# KiCad board ayla80.kicad_pcb (continued)
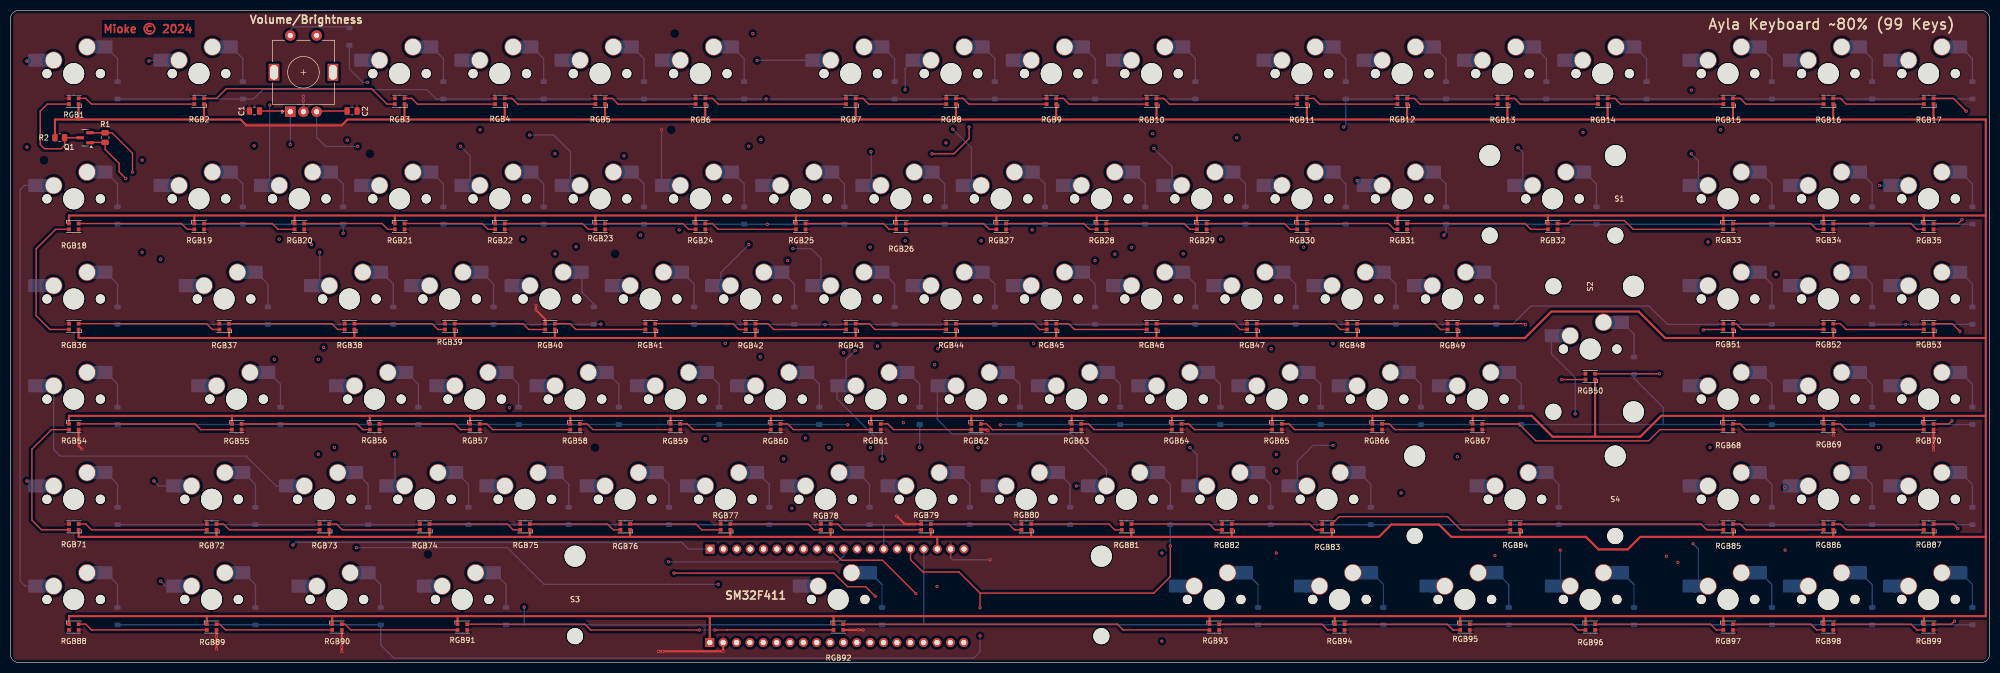
[diagram p0: board, top side]
## Routing (per net, layer and track width the routed paths; a pad name or vN(x,y) marks a point on that pad's centre or on a via; arc(x,y) is an arc through that point) (continued)
R_A: length 169.6
  Top w0.25: SW1.A 53.02,104.89 C1.1
  In2.Cu w0.25: v1(53.66,22.34) 51.88,24.12 51.88,88.68 53.15,89.95 v1(53.15,98.54)
  Bottom w0.25: v1(53.66,22.34) 54.16,22.85 127.52,22.85 128.79,21.58 J1.1 ; v1(53.15,98.54) 53.16,98.55 SW1.A
R_B: length 179
  Top w0.25: C2.1 58.29,104.89 SW1.B
  In2.Cu w0.25: J1.2 135.44,15.84 v1(134.48,14.87) ; v1(65.72,21.83) 65.95,22.06 65.95,50.45 69.28,53.77 69.28,59.42 71.44,61.58 71.44,75.68 65.97,81.14 v1(65.97,98.16)
  Bottom w0.25: v1(65.97,98.16) 59.88,98.16 58.16,99.88 SW1.B ; v1(134.48,14.87) 101.38,14.87 94.42,21.83 v1(65.72,21.83)
RGB: length 241.4
  Top w0.25: Q1.2 15.11,100.74 R1.2 19.29,100.74 23.18,96.86 v1(23.18,93.25) ; v1(164.27,12.61) 162.47,14.41 159.02,14.41 156.42,17 v1(126.05,17)
  In1.Cu w0.25: v1(23.18,93.25) 31.1,85.33 124.01,85.33 v1(127.06,82.28) ; v1(164.27,12.61) 164.27,5.4 J2.14
  In2.Cu w0.25: v1(126.05,17) 126.05,39.81 123.2,42.66 123.2,50.43 126.45,53.68 126.45,56.32 129.6,59.47 129.6,79.74 v1(127.06,82.28)
RGB_DATA: length 22
  Top w0.25: Q1.3 10.28,99.8 R2.2 10.27,98.36 9.62,97.71 6.44,97.71 5.65,98.51 5.65,104.86 6.99,106.2 RGB1.4
ROW0: length 296.9
  In1.Cu w0.25: v1(148.45,29.35) 148.45,26.96 J1.5
  In2.Cu w0.25: v1(148.45,29.35) 148.45,51.45 144.33,55.56 144.33,71.06 145.3,72.02 145.3,84.21 143.57,85.94 v1(143.57,107.18)
  Bottom w0.25: D1.1 D2.1 46.14,107.18 47.92,108.95 79.08,108.95 80.86,107.18 D3.1 D5.1 D6.1 v1(143.57,107.18) D7.1 D8.1 D9.1 D10.1
ROW1: length 467.6
  In1.Cu w0.25: v1(253.3,101.84) 197.59,101.84 193.53,97.78 166.43,97.78 164.86,99.35 v1(63.97,99.35)
  In2.Cu w0.25: J1.3 138.83,22.43 138.83,32.84 140.52,34.53 140.52,40.32 132.95,47.89 132.95,74.51 136.66,78.22 141.34,78.22 142.56,79.44 v1(142.56,99.43) ; v1(63.2,81.63) 63.2,98.58 v1(63.97,99.35)
  Bottom w0.25: v1(253.3,101.84) 253.7,102.24 D11.1 D14.1 D15.1 D16.1 D17.1 ; D18.1 D20.1 v1(63.2,81.63)
ROW2: length 244.2
  In2.Cu w0.25: v1(143.78,83.34) 143.78,78.81 142.02,77.05 137.58,77.05 134.07,73.54 134.07,52.46 142.54,43.99 142.54,41.27 142.56,41.26 142.56,30.34 140.52,28.31 J1.4
  Bottom w0.25: D30.1 D29.1 D28.1 D27.1 D26.1 D25.1 D24.1 D23.1 D22.1 D21.1
ROW3: length 456.4
  In1.Cu w0.25: v1(272.35,81.27) v1(119.7,81.27)
  In2.Cu w0.25: v1(125.03,19.16) 125.03,35.67 118.02,42.68 118.02,58.51 v1(112.18,64.35) 112.18,80.71 112.74,81.27 v1(119.7,81.27)
  Bottom w0.25: D36.1 D38.1 D40.1 112.14,64.31 v1(112.18,64.35) ; v1(272.35,81.27) 272.75,81.66 D31.1 D32.1 D33.1 D34.1 D35.1 ; v1(125.03,19.16) 125.06,19.14 157.14,19.14 158.3,20.31 J1.11
ROW4: length 253.5
  In2.Cu w0.25: v1(154.75,64.25) 157.29,61.71 157.29,43.17 161.61,38.85 161.61,30.21 160.84,29.45 J1.12
  Bottom w0.25: D51.1 314.81,64.31 311.31,67.8 288.86,67.8 285.37,64.31 D49.1 D48.1 D47.1 D46.1 D45.1 D44.1 D43.1 D41.1
ROW5: length 429.1
  In1.Cu w0.25: v1(163.38,40.88) 175.78,40.88 176.85,41.95 191.53,41.95 193.1,43.52 193.1,55.41 195.44,57.75 210.58,57.75 211.85,56.48 211.85,48.04 217.33,42.56 356.37,42.56 356.37,60.59 v1(360.08,64.3)
  In2.Cu w0.25: J1.13 v1(163.38,40.88) v1(159.07,45.2)
  Bottom w0.25: 172.73,40.88 v1(172.73,40.88) D61.1 ; v1(159.07,45.2) 159,45.26 D60.1 D58.1 D56.1 D54.1 ; D52.1 D53.1
ROW6: length 241.5
  In1.Cu w0.25: v1(169.63,45.6) 170.6,46.57 186.7,46.57 v1(188.07,45.2)
  In2.Cu w0.25: J1.15 168.46,25.28 167.14,26.61 167.14,43.12 v1(169.63,45.6)
  Bottom w0.25: D70.1 D69.1 D68.1 314.01,45.26 ; 314.01,45.26 D67.1 D64.1 D62.1 188.14,45.26 v1(188.07,45.2) ; 314.01,45.26 314.01,48.5 308.47,54.04 D50.1
ROW7: length 185.6
  Bottom w0.25: 165.92,26.21 D78.1 D77.1 D74.1 D72.1 D71.1 ; 165.92,26.21 J1.14 ; 165.92,26.21 D79.1 D80.1
ROW8: length 398
  Top w0.25: v1(220.36,22.16) 220.36,16.32 217.23,13.19 184.21,13.19 ; 184.21,13.19 v1(184.21,10.4) ; 184.21,13.19 180.2,17.21 173.34,17.21 171,19.54 J1.16
  In2.Cu w0.25: v1(184.21,5.07) v1(184.21,10.4)
  Bottom w0.25: v1(220.36,22.16) D81.1 D82.1 D83.1 D85.1 D86.1 D87.1 ; D88.1 D89.1 D90.1 70.34,3.32 72.83,0.82 183.02,0.82 184.21,2.02 v1(184.21,5.07)
ROW9: length 431.1
  In2.Cu w0.25: v1(97.6,10.53) 97.6,15.48 89.98,23.1 89.98,41.13 91.63,42.79 91.63,50.66 93.23,52.26 93.23,59.85 90.11,62.98 90.11,88.68 91.55,90.13 91.55,95.13 85.23,101.46 68.64,101.46 67.85,102.25 v1(67.85,110.35)
  Bottom w0.25: 97.6,7.16 D92.1 173.54,7.16 ; 97.6,7.16 v1(97.6,10.53) ; 97.6,7.16 D91.1 ; J1.17 173.54,7.16 ; 173.54,7.16 D93.1 D95.1 D96.1 D97.1 D98.1 D99.1 ; D100.1 64.37,112.91 66.94,110.35 v1(67.85,110.35)
Net-(D1-A): length 7.5
  Bottom w0.25: D1.2 20.33,114.84 MX1.2
Net-(D2-A): length 7.5
  Bottom w0.25: MX2.2 44.15,114.84 D2.2
Net-(D3-A): length 7.5
  Bottom w0.25: D3.2 82.25,114.84 MX3.2
Net-(D4-A): length 7.5
  Bottom w0.25: MX4.2 101.3,114.84 D4.2
Net-(D5-A): length 7.5
  Bottom w0.25: D5.2 120.35,114.84 MX5.2
Net-(D6-A): length 7.5
  Bottom w0.25: MX6.2 139.4,114.84 D6.2
Net-(D7-A): length 7.5
  Bottom w0.25: D7.2 167.97,114.84 MX7.2
Net-(D8-A): length 7.5
  Bottom w0.25: MX8.2 187.02,114.84 D8.2
Net-(D9-A): length 7.5
  Bottom w0.25: MX9.2 206.07,114.84 D9.2
Net-(D10-A): length 7.5
  Bottom w0.25: D10.2 225.12,114.84 MX10.2
Net-(D11-A): length 7.5
  Bottom w0.25: MX11.2 253.7,114.84 D11.2
Net-(D12-A): length 7.5
  Bottom w0.25: MX12.2 272.75,114.84 D12.2
Net-(D13-A): length 7.5
  Bottom w0.25: D13.2 291.8,114.84 MX13.2
Net-(D14-A): length 7.5
  Bottom w0.25: MX14.2 310.85,114.84 D14.2
Net-(D15-A): length 7.5
  Bottom w0.25: MX15.2 334.66,114.84 D15.2
Net-(D16-A): length 7.5
  Bottom w0.25: MX16.2 353.71,114.84 D16.2
Net-(D17-A): length 7.5
  Bottom w0.25: D17.2 372.76,114.84 MX17.2
Net-(D18-A): length 7.5
  Bottom w0.25: D18.2 20.33,91.02 MX18.2
Net-(D19-A): length 7.5
  Bottom w0.25: D19.2 44.15,91.02 MX19.2
Net-(D20-A): length 7.5
  Bottom w0.25: D20.2 63.2,91.02 MX20.2
Net-(D21-A): length 7.5
  Bottom w0.25: MX21.2 82.25,91.02 D21.2
Net-(D22-A): length 7.5
  Bottom w0.25: D22.2 101.3,91.02 MX22.2
Net-(D23-A): length 7.5
  Bottom w0.25: D23.2 120.35,91.02 MX23.2
Net-(D24-A): length 7.5
  Bottom w0.25: MX24.2 139.4,91.02 D24.2
Net-(D25-A): length 7.5
  Bottom w0.25: D25.2 158.45,91.02 MX25.2
Net-(D26-A): length 7.5
  Bottom w0.25: D26.2 177.5,91.02 MX26.2
Net-(D27-A): length 7.5
  Bottom w0.25: D27.2 196.55,91.02 MX27.2
Net-(D28-A): length 7.5
  Bottom w0.25: D28.2 215.6,91.02 MX28.2
Net-(D29-A): length 7.5
  Bottom w0.25: MX29.2 234.65,91.02 D29.2
Net-(D30-A): length 7.5
  Bottom w0.25: D30.2 253.7,91.02 MX30.2
Net-(D31-A): length 7.5
  Bottom w0.25: MX31.2 272.75,91.02 D31.2
Net-(D32-A): length 7.5
  Bottom w0.25: MX32.2 301.32,91.02 D32.2
Net-(D33-A): length 7.5
  Bottom w0.25: MX33.2 334.66,91.02 D33.2
Net-(D34-A): length 7.5
  Bottom w0.25: MX34.2 353.71,91.02 D34.2
Net-(D35-A): length 7.5
  Bottom w0.25: MX35.2 372.76,91.02 D35.2
Net-(D36-A): length 7.5
  Bottom w0.25: MX36.2 20.33,71.97 D36.2
Net-(D37-A): length 7.5
  Bottom w0.25: D37.2 48.91,71.97 MX37.2
Net-(D38-A): length 7.5
  Bottom w0.25: D38.2 72.72,71.97 MX38.2
Net-(D39-A): length 7.5
  Bottom w0.25: MX39.2 91.77,71.97 D39.2
Net-(D40-A): length 7.5
  Bottom w0.25: MX40.2 108.58,70.45 110.82,68.21 D40.2
Net-(D41-A): length 7.5
  Bottom w0.25: D41.2 129.87,71.97 MX41.2
Net-(D42-A): length 7.5
  Bottom w0.25: MX42.2 148.92,71.97 D42.2
Net-(D43-A): length 7.5
  Bottom w0.25: MX43.2 167.97,71.97 D43.2
Net-(D44-A): length 7.5
  Bottom w0.25: MX44.2 187.02,71.97 D44.2
Net-(D45-A): length 7.5
  Bottom w0.25: MX45.2 206.07,71.97 D45.2
Net-(D46-A): length 7.5
  Bottom w0.25: MX46.2 225.12,71.97 D46.2
Net-(D47-A): length 7.5
  Bottom w0.25: D47.2 244.17,71.97 MX47.2
Net-(D48-A): length 7.5
  Bottom w0.25: MX48.2 263.22,71.97 D48.2
Net-(D49-A): length 7.5
  Bottom w0.25: MX49.2 282.27,71.97 D49.2
Net-(D50-A): length 7.5
  Bottom w0.25: D50.2 308.47,62.45 MX50.2
Net-(D51-A): length 7.5
  Bottom w0.25: MX51.2 334.66,71.97 D51.2
Net-(D52-A): length 7.5
  Bottom w0.25: MX52.2 353.71,71.97 D52.2
Net-(D53-A): length 7.5
  Bottom w0.25: MX53.2 372.76,71.97 D53.2
Net-(D54-A): length 7.5
  Bottom w0.25: D54.2 20.33,52.92 MX54.2
Net-(D55-A): length 7.5
  Bottom w0.25: D55.2 51.29,52.92 MX55.2
Net-(D56-A): length 7.5
  Bottom w0.25: D56.2 77.48,52.92 MX56.2
Net-(D57-A): length 7.5
  Bottom w0.25: D57.2 96.53,52.92 MX57.2
Net-(D58-A): length 7.5
  Bottom w0.25: MX58.2 115.58,52.92 D58.2
Net-(D59-A): length 7.5
  Bottom w0.25: D59.2 134.63,52.92 MX59.2
Net-(D60-A): length 7.5
  Bottom w0.25: MX60.2 153.68,52.92 D60.2
Net-(D61-A): length 7.5
  Bottom w0.25: MX61.2 172.73,52.92 D61.2
Net-(D62-A): length 7.5
  Bottom w0.25: D62.2 191.78,52.92 MX62.2
Net-(D63-A): length 7.5
  Bottom w0.25: MX63.2 210.83,52.92 D63.2
Net-(D64-A): length 7.5
  Bottom w0.25: MX64.2 229.88,52.92 D64.2
Net-(D65-A): length 7.5
  Bottom w0.25: D65.2 248.93,52.92 MX65.2
Net-(D66-A): length 7.5
  Bottom w0.25: D66.2 267.98,52.92 MX66.2
Net-(D67-A): length 7.5
  Bottom w0.25: D67.2 287.03,52.92 MX67.2
Net-(D68-A): length 7.5
  Bottom w0.25: D68.2 334.66,52.92 MX68.2
Net-(D69-A): length 7.5
  Bottom w0.25: D69.2 353.71,52.92 MX69.2
Net-(D70-A): length 7.5
  Bottom w0.25: MX70.2 372.76,52.92 D70.2
Net-(D71-A): length 7.5
  Bottom w0.25: D71.2 20.33,33.87 MX71.2
Net-(D72-A): length 7.5
  Bottom w0.25: D72.2 46.53,33.87 MX72.2
Net-(D73-A): length 7.5
  Bottom w0.25: MX73.2 67.96,33.87 D73.2
Net-(D74-A): length 7.5
  Bottom w0.25: MX74.2 87.01,33.87 D74.2
Net-(D75-A): length 7.5
  Bottom w0.25: D75.2 106.06,33.87 MX75.2
Net-(D76-A): length 7.5
  Bottom w0.25: MX76.2 125.11,33.87 D76.2
Net-(D77-A): length 7.5
  Bottom w0.25: MX77.2 144.16,33.87 D77.2
Net-(D78-A): length 7.5
  Bottom w0.25: MX78.2 163.21,33.87 D78.2
Net-(D79-A): length 7.5
  Bottom w0.25: 180.01,36.12 182.26,33.87 D79.2
Net-(D80-A): length 7.5
  Bottom w0.25: MX80.2 201.31,33.87 D80.2
Net-(D81-A): length 7.5
  Bottom w0.25: MX81.2 220.36,33.87 D81.2
Net-(D82-A): length 7.5
  Bottom w0.25: 237.17,36.12 239.41,33.87 D82.2
Net-(D83-A): length 7.5
  Bottom w0.25: MX83.2 258.46,33.87 D83.2
Net-(D84-A): length 7.5
  Bottom w0.25: D84.2 294.18,33.87 MX84.2
Net-(D85-A): length 7.5
  Bottom w0.25: MX85.2 334.66,33.87 D85.2
Net-(D86-A): length 7.5
  Bottom w0.25: D86.2 353.71,33.87 MX86.2
Net-(D87-A): length 7.5
  Bottom w0.25: MX87.2 372.76,33.87 D87.2
Net-(D88-A): length 7.5
  Bottom w0.25: MX88.2 20.33,14.82 D88.2
Net-(D89-A): length 7.5
  Bottom w0.25: D89.2 46.53,14.82 MX89.2
Net-(D90-A): length 7.5
  Bottom w0.25: D90.2 70.34,14.82 MX90.2
Net-(D91-A): length 7.5
  Bottom w0.25: MX91.2 94.15,14.82 D91.2
Net-(D92-A): length 7.5
  Bottom w0.25: D92.2 165.59,14.82 MX92.2
Net-(D93-A): length 7.5
  Bottom w0.25: D93.2 237.03,14.82 MX93.2
Net-(D94-A): length 7.5
  Bottom w0.25: MX94.2 260.84,14.82 D94.2
Net-(D95-A): length 7.5
  Bottom w0.25: MX95.2 284.65,14.82 D95.2
Net-(D96-A): length 7.5
  Bottom w0.25: MX96.2 308.47,14.82 D96.2
Net-(D97-A): length 7.5
  Bottom w0.25: D97.2 334.66,14.82 MX97.2
Net-(D98-A): length 7.5
  Bottom w0.25: D98.2 353.71,14.82 MX98.2
Net-(D99-A): length 7.5
  Bottom w0.25: D99.2 372.76,14.82 MX99.2
Net-(D100-A): length 12.6
  Bottom w0.25: D100.2 64.17,120.89 53.78,120.89 53.16,120.26 SW1.S2
Net-(RGB1-DOUT): length 22.4
  Top w0.25: RGB2.4 15.39,106.2 14.29,107.3 RGB1.2
Net-(RGB2-DOUT): length 38.2
  Top w0.25: RGB2.2 39.18,107.3 41.01,109.13 68.61,109.13 71.54,106.2 RGB3.4
Net-(RGB3-DOUT): length 17.7
  Top w0.25: RGB4.4 77.3,106.2 76.2,107.3 RGB3.2
Net-(RGB4-DOUT): length 17.7
  Top w0.25: RGB4.2 95.25,107.3 96.35,106.2 RGB5.4
Net-(RGB5-DOUT): length 17.7
  Top w0.25: RGB5.2 114.3,107.3 115.4,106.2 RGB6.4
Net-(RGB6-DOUT): length 27.2
  Top w0.25: RGB7.4 134.45,106.2 133.35,107.3 RGB6.2
Net-(RGB7-DOUT): length 17.7
  Top w0.25: RGB7.2 161.93,107.3 163.03,106.2 RGB8.4
Net-(RGB8-DOUT): length 17.7
  Top w0.25: RGB9.4 182.08,106.2 180.98,107.3 RGB8.2
Net-(RGB10-DIN): length 17.7
  Top w0.25: RGB9.2 200.03,107.3 201.13,106.2 RGB10.4
Net-(RGB10-DOUT): length 27.2
  Top w0.25: RGB11.4 220.18,106.2 219.08,107.3 RGB10.2
Net-(RGB11-DOUT): length 17.7
  Top w0.25: RGB12.4 248.75,106.2 247.65,107.3 RGB11.2
Net-(RGB12-DOUT): length 17.7
  Top w0.25: RGB13.4 267.8,106.2 266.7,107.3 RGB12.2
Net-(RGB13-DOUT): length 17.7
  Top w0.25: RGB13.2 285.75,107.3 286.85,106.2 RGB14.4
Net-(RGB14-DOUT): length 22.4
  Top w0.25: RGB15.4 305.9,106.2 304.8,107.3 RGB14.2
Net-(RGB15-DOUT): length 17.7
  Top w0.25: 344.49,106.2 329.71,106.2 328.62,107.3 RGB15.2
Net-(RGB16-DOUT): length 17.7
  Top w0.25: RGB16.2 347.67,107.3 348.76,106.2 RGB17.4
Net-(RGB17-DOUT): length 33.9
  Top w0.25: RGB35.4 370.04,83.49 v1(370.77,84.22) ; v1(371.57,104.86) 369.12,107.3 RGB17.2
  In2.Cu w0.25: v1(370.77,84.22) 371.57,85.01 v1(371.57,104.86)
Net-(RGB18-DIN): length 22.4
  Top w0.25: RGB19.2 33.57,82.39 32.47,83.49 RGB18.4
Net-(RGB18-DOUT): length 27.8
  Top w0.25: RGB36.4 7.48,63.34 4.86,65.96 4.86,78.66 8.58,82.39 RGB18.2
Net-(RGB19-DIN): length 17.7
  Top w0.25: RGB19.4 49.71,83.49 50.81,82.39 RGB20.2
Net-(RGB20-DIN): length 17.7
  Top w0.25: RGB20.4 70.57,83.49 71.67,82.39 RGB21.2
Net-(RGB21-DIN): length 17.7
  Top w0.25: RGB22.2 90.72,82.39 89.62,83.49 RGB21.4
Net-(RGB22-DIN): length 17.7
  Top w0.25: RGB23.2 109.77,82.39 108.67,83.49 RGB22.4
Net-(RGB23-DIN): length 17.7
  Top w0.25: RGB23.4 127.72,83.49 128.82,82.39 RGB24.2
Net-(RGB24-DIN): length 17.7
  Top w0.25: RGB24.4 133.35,83.49 134.45,82.39 RGB25.2
Net-(RGB25-DIN): length 17.7
  Top w0.25: RGB26.2 166.92,82.39 165.82,83.49 RGB25.4
Net-(RGB26-DIN): length 17.7
  Top w0.25: RGB27.2 185.97,82.39 184.87,83.49 RGB26.4
Net-(RGB27-DIN): length 17.7
  Top w0.25: RGB27.4 203.92,83.49 205.02,82.39 RGB28.2
Net-(RGB28-DIN): length 17.7
  Top w0.25: RGB28.4 222.97,83.49 224.07,82.39 RGB29.2
Net-(RGB29-DIN): length 17.7
  Top w0.25: RGB29.4 242.02,83.49 243.12,82.39 RGB30.2
Net-(RGB30-DIN): length 17.7
  Top w0.25: RGB30.4 261.82,83.49 262.92,82.39 RGB31.2
Net-(RGB31-DIN): length 27.2
  Top w0.25: RGB32.2 288.86,82.39 287.76,83.49 RGB31.4
Net-(RGB32-DIN): length 32.4
  Top w0.25: RGB33.2 308.31,82.39 306.64,84.06 296.48,84.06 295.91,83.49 RGB32.4
Net-(RGB33-DIN): length 17.7
  Top w0.25: 344.49,82.39 343.13,82.39 342.04,83.49 RGB33.4
Net-(RGB34-DIN): length 17.7
  Top w0.25: RGB35.2 362.19,82.39 361.08,83.49 RGB34.4
Net-(RGB36-DOUT): length 27.2
  Top w0.25: RGB36.2 37.23,64.44 38.34,63.34 RGB37.4
Net-(RGB37-DOUT): length 22.4
  Top w0.25: RGB38.4 62.15,63.34 61.05,64.44 RGB37.2
Net-(RGB38-DOUT): length 17.7
  Top w0.25: RGB38.2 80.1,64.44 81.2,63.34 RGB39.4
Net-(RGB39-DOUT): length 17.7
  Top w0.25: RGB39.2 97.36,64.44 98.46,63.34 RGB40.4
Net-(RGB40-DOUT): length 17.7
  Top w0.25: RGB40.2 106.3,64.44 107.4,63.34 RGB41.4
Net-(RGB41-DOUT): length 17.7
  Top w0.25: RGB41.2 137.25,64.44 138.35,63.34 RGB42.4
Net-(RGB42-DOUT): length 17.7
  Top w0.25: RGB43.4 144.99,63.34 143.89,64.44 RGB42.2
Net-(RGB43-DOUT): length 17.7
  Top w0.25: RGB44.4 164.24,63.34 163.14,64.44 RGB43.2
Net-(RGB44-DOUT): length 17.7
  Top w0.25: RGB44.2 194.4,64.44 195.5,63.34 RGB45.4
Net-(RGB45-DOUT): length 17.7
  Top w0.25: RGB45.2 201.04,64.44 202.14,63.34 RGB46.4
Net-(RGB46-DOUT): length 17.7
  Top w0.25: RGB47.4 233.6,63.34 232.5,64.44 RGB46.2
Net-(RGB47-DOUT): length 17.7
  Top w0.25: RGB48.4 252.65,63.34 251.55,64.44 RGB47.2
Net-(RGB48-DOUT): length 17.7
  Top w0.25: RGB49.4 271.7,63.34 270.6,64.44 RGB48.2
Net-(RGB49-DOUT): length 30.8
  Top w0.25: v1(287.84,64.25) 287.65,64.44 RGB49.2 ; v1(294.7,53.83) 294.96,53.83 294.98,53.81 RGB50.4
  In2.Cu w0.25: v1(287.84,64.25) 287.84,60.69 v1(294.7,53.83)
Net-(RGB50-DOUT): length 27.9
  Top w0.25: RGB50.2 v1(313.29,54.91) ; v1(321.63,63.23) 321.73,63.34 RGB51.4
  In2.Cu w0.25: v1(321.63,63.23) 313.31,54.91 v1(313.29,54.91)
Net-(RGB51-DOUT): length 17.7
  Top w0.25: RGB51.2 327.87,64.44 328.96,63.34 344.49,63.34
Net-(RGB52-DOUT): length 17.7
  Top w0.25: RGB52.2 347.67,64.44 348.76,63.34 RGB53.4
Net-(RGB53-DOUT): length 27.3
  Top w0.25: RGB53.2 368.93,64.44 v1(370.39,62.98) ; v1(368.87,45.96) 368.3,45.39 RGB70.4
  In2.Cu w0.25: v1(370.39,62.98) 370.75,62.62 370.75,47.85 v1(368.87,45.96)
Net-(RGB54-DIN): length 29.6
  Top w0.25: RGB54.4 35.03,45.39 36.13,44.29 RGB55.2
Net-(RGB54-DOUT): length 29.9
  Top w0.25: RGB71.4 5.89,25.24 4.06,27.07 4.06,40.56 7.79,44.29 RGB54.2
Net-(RGB55-DIN): length 24.8
  Top w0.25: RGB55.4 65.81,45.39 66.91,44.29 RGB56.2
Net-(RGB56-DIN): length 17.7
  Top w0.25: RGB57.2 85.49,44.29 84.39,45.39 RGB56.4
Net-(RGB57-DIN): length 17.7
  Top w0.25: RGB58.2 91.59,44.29 90.49,45.39 RGB57.4
Net-(RGB58-DIN): length 17.7
  Top w0.25: RGB58.4 109.54,45.39 110.64,44.29 RGB59.2
Net-(RGB59-DIN): length 17.7
  Top w0.25: RGB59.4 128.59,45.39 129.69,44.29 RGB60.2
Net-(RGB60-DIN): length 17.7
  Top w0.25: RGB61.2 148.74,44.29 147.64,45.39 RGB60.4
Net-(RGB61-DIN): length 17.7
  Top w0.25: RGB61.4 166.69,45.39 167.79,44.29 RGB62.2
Net-(RGB62-DIN): length 17.7
  Top w0.25: RGB62.4 185.44,45.39 186.54,44.29 RGB63.2
Net-(RGB63-DIN): length 17.7
  Top w0.25: RGB64.2 205.89,44.29 204.79,45.39 RGB63.4
Net-(RGB64-DIN): length 17.7
  Top w0.25: RGB64.4 223.84,45.39 224.94,44.29 RGB65.2
Net-(RGB65-DIN): length 17.7
  Top w0.25: RGB65.4 242.89,45.39 243.99,44.29 RGB66.2
Net-(RGB66-DIN): length 17.7
  Top w0.25: RGB67.2 263.04,44.29 261.94,45.39 RGB66.4
Net-(RGB67-DIN): length 48
  Top w0.25: RGB67.4 286.57,45.39 289.81,42.15 311.24,42.15 313.38,44.29 RGB68.2
Net-(RGB68-DIN): length 17.7
  Top w0.25: 344.49,44.29 329.71,44.29 328.62,45.39 RGB68.4
Net-(RGB69-DIN): length 17.7
  Top w0.25: RGB69.4 347.67,45.39 348.76,44.29 RGB70.2
Net-(RGB71-DOUT): length 24.8
  Top w0.25: RGB71.2 14.29,26.34 15.39,25.24 RGB72.4
Net-(RGB72-DOUT): length 20.1
  Top w0.25: RGB73.4 41.58,25.24 40.48,26.34 RGB72.2
Net-(RGB73-DOUT): length 17.7
  Top w0.25: RGB73.2 61.92,26.34 63.02,25.24 RGB74.4
Net-(RGB74-DOUT): length 17.7
  Top w0.25: 79.61,26.34 94.39,26.34 95.48,25.24 RGB75.4
Net-(RGB75-DOUT): length 17.7
  Top w0.25: RGB75.2 113.44,26.34 114.53,25.24 RGB76.4
Net-(RGB76-DOUT): length 17.7
  Top w0.25: RGB76.2 130.23,26.34 131.33,25.24 RGB77.4
Net-(RGB77-DOUT): length 17.7
  Top w0.25: RGB77.2 151.53,26.34 152.63,25.24 RGB78.4
Net-(RGB78-DOUT): length 17.7
  Top w0.25: RGB79.4 158.26,25.24 157.16,26.34 RGB78.2
Net-(RGB79-DOUT): length 17.7
  Top w0.25: 174.87,26.34 189.63,26.34 190.74,25.24 RGB80.4
Net-(RGB80-DOUT): length 17.7
  Top w0.25: RGB80.2 208.69,26.34 209.78,25.24 211.13,25.24
Net-(RGB81-DOUT): length 17.7
  Top w0.25: RGB81.2 227.74,26.34 228.84,25.24 RGB82.4
Net-(RGB82-DOUT): length 17.7
  Top w0.25: RGB82.2 246.79,26.34 247.88,25.24 RGB83.4
Net-(RGB83-DOUT): length 35.5
  Top w0.25: RGB84.4 275.54,25.24 273.02,27.75 252.48,27.75 RGB83.2
Net-(RGB84-DOUT): length 39.1
  Top w0.25: RGB84.2 321.18,26.34 322.28,25.24 RGB85.4
Net-(RGB85-DOUT): length 17.7
  Top w0.25: 344.49,25.24 329.71,25.24 328.62,26.34 RGB85.2
Net-(RGB86-DOUT): length 17.7
  Top w0.25: RGB86.2 347.67,26.34 348.76,25.24 RGB87.4
Net-(RGB87-DOUT): length 28.2
  Top w0.25: RGB87.2 369.12,26.34 v1(369.98,25.48) ; RGB99.4 368.81,7.29 v1(369.38,7.86)
  In2.Cu w0.25: v1(369.98,25.48) 371.28,24.18 371.28,9.77 v1(369.38,7.86)
Net-(RGB88-DIN): length 24.8
  Top w0.25: RGB89.2 15.39,6.19 14.29,7.29 RGB88.4
Net-(RGB89-DIN): length 22.4
  Top w0.25: RGB89.4 39.73,7.29 40.83,6.19 RGB90.2
Net-(RGB90-DIN): length 22.4
  Top w0.25: RGB91.2 64.65,6.19 63.55,7.29 RGB90.4
Net-(RGB91-DIN): length 70.1
  Top w0.25: v1(130.87,6.18) 110.2,6.18 109.09,7.29 RGB91.4 ; v1(133.82,6.18) 136.16,6.18 136.16,6.19 RGB92.2
  Bottom w0.25: v1(133.82,6.18) v1(130.87,6.18)
Net-(RGB92-DIN): length 70.1
  Top w0.25: RGB92.4 210.29,7.29 211.39,6.19 RGB93.2
Net-(RGB93-DIN): length 22.4
  Top w0.25: RGB93.4 249.17,7.29 250.27,6.19 RGB94.2
Net-(RGB94-DIN): length 22.4
  Top w0.25: RGB95.2 274.08,6.19 272.98,7.29 RGB94.4
Net-(RGB95-DIN): length 22.4
  Top w0.25: RGB96.2 297.89,6.19 296.79,7.29 RGB95.4
Net-(RGB96-DIN): length 24.8
  Top w0.25: RGB96.4 322.99,7.29 324.08,6.19 RGB97.2
Net-(RGB97-DIN): length 17.7
  Top w0.25: 344.49,6.19 343.13,6.19 342.04,7.29 RGB97.4
Net-(RGB98-DIN): length 17.7
  Top w0.25: RGB98.4 361.08,7.29 362.19,6.19 RGB99.2

## Copper pours and planes (outline as drawn; the poured copper is in the pictures)
GND on Top, Bottom, In1.Cu, In2.Cu: -2,127 -2,-5 379,-5 379,127

## Text on the board
B.Silkscreen: USB END
Top: Mioke © 2024
F.Silkscreen: Volume/Brightness | SM32F411 | Ayla Keyboard ~80% (99 Keys)
